# Altium PCB AIR_MOUNT23.PcbDoc (part 3 of 4) (continued)
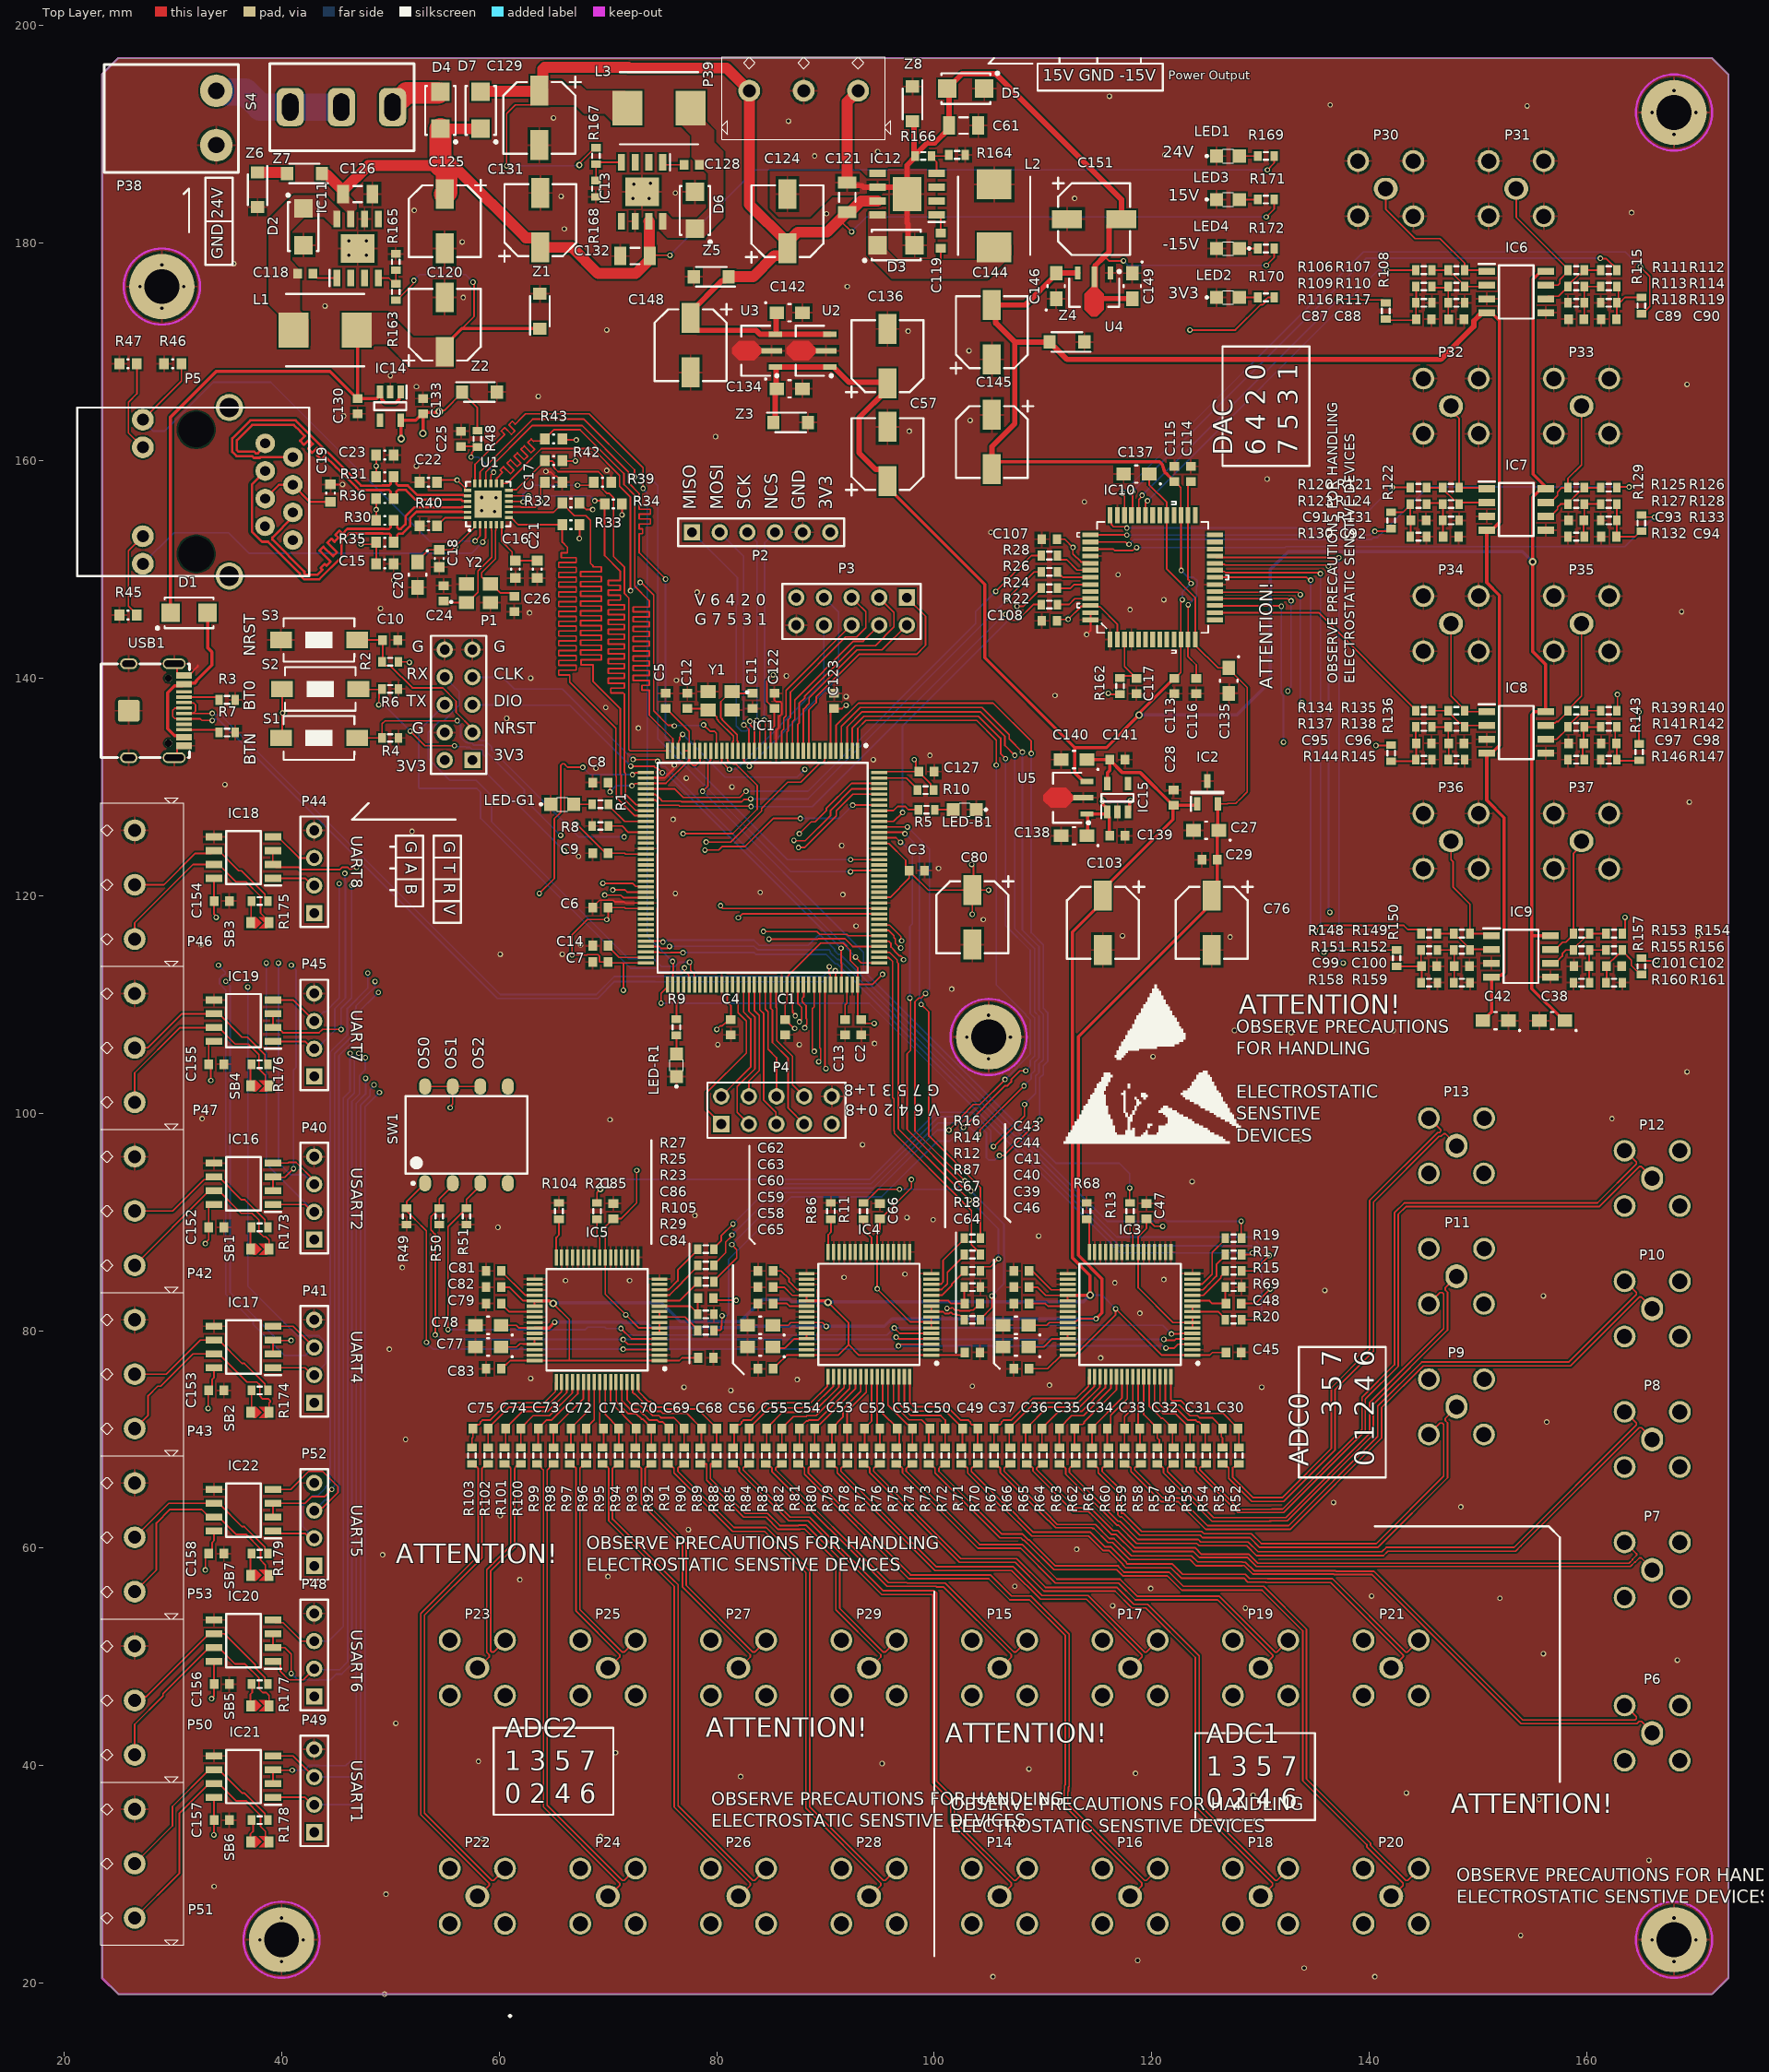
[diagram p0: Top Layer view]
## Nets (pads, with @x,y where several pads share a name; then routed paths per layer and width w, separated by ;. In a path a pad name is that pad's centre, name@x,y a point inside that pad or via, vN(x,y) a via of type N, cw(c..) or ccw(c..) an arc to the next point about the centre after c; other vN are vias at no path point) (continued)
  other v1: 47.7,105.1
PC11_2: IC1.112 IC17.1 P41.2 | length 105.3
  Top Layer w0.15: IC17.1@39.212,76.595 42.155,76.595 42.83,75.92 P41.2@43,75.92 ; v1(84.805,116) 89.302,116 89.341,116.039 91.791,116.039 92.511,115.319 IC1.112@94.953,115.319
  Layer 2 w0.15: v1(36.9,111.6) 42.08,111.6 42.555,112.075 43.445,112.075 43.72,111.8 45.9,111.8 50.1,116 65.89,116 66.19,116.3 79.179,116.3 79.681,115.798 84.509,115.798 84.711,116 v1(84.805,116)
  Bottom Layer w0.15: v1(36.9,111.6) 36.9,84.07 41.435,79.535 43.445,79.535 44.075,78.905 44.075,76.995 43.441,76.361 43.439,76.361 43.4,76.4 43,76 P41.2@43,75.92
PC12_2: IC1.113 IC22.4 P52.3 | length 114
  Top Layer w0.15: IC22.4@39.212,65.405 40.837,65.405 42.507,67.075 43.763,67.075 45.2,65.638 45.2,65.162 43.757,63.718 43.258,63.718 P52.3@43,63.46 ; IC1.113@94.953,115.819 94.978,115.794 95.825,115.794 96.015,115.604 96.015,115.279 96.347,114.947 96.347,114.903 96.771,114.48 96.9,114.48 97.169,114.21 v1(97.169,114.112)
  Layer 2 w0.15: v1(48.9,111.1) 49.563,111.763 49.629,111.763 50.252,112.386 81.256,112.386 82.67,113.8 89.052,113.8 89.292,114.04 92.244,114.04 92.516,113.769 94.629,113.769 94.972,114.112 v1(97.169,114.112)
  Bottom Layer w0.15: P52.3@43,63.46 43.98,64.44 44.478,64.44 45.275,65.237 45.275,105.288 46.85,106.863 46.85,109.05 v1(48.9,111.1)
PD0_2: IC1.114 IC17.2 IC17.3 | length 101.7
  Top Layer w0.15: IC17.2@39.212,77.865 39.212,79.1 IC17.3@39.23,79.118 ; IC17.3@39.212,79.135 IC17.3@39.23,79.118 ; v1(40.877,79.1) 39.247,79.1 IC17.3@39.23,79.118 ; v1(84.3,116.7) 89.224,116.7 89.349,116.575 89.485,116.439 91.956,116.439 92.077,116.319 IC1.114@94.953,116.319
  Layer 2 w0.15: v1(34.869,112.118) 36.177,112.118 36.258,112.199 42.113,112.199 42.389,112.475 43.611,112.475 43.886,112.2 43.9,112.2 46.3,114.6 46.463,114.6 47.513,115.65 49.05,115.65 49.8,116.4 54.9,116.4 55.2,116.7 79.345,116.7 79.604,116.441 81.775,116.441 82.034,116.7 v1(84.3,116.7)
  Bottom Layer w0.15: v1(34.869,112.118) 35.277,111.71 35.277,83.523 39.7,79.1 v1(40.877,79.1)
PD1_2: IC1.115 IC22.2 IC22.3 | length 108.3
  Top Layer w0.15: IC22.2@39.212,62.865 IC22.3@39.212,64.135 42.155,64.135 42.754,64.734 43.959,64.734 v1(44.625,65.4) ; IC1.115@94.953,116.819 94.978,116.794 95.825,116.794 96.294,116.325 96.294,116.137 96.415,116.016 96.415,115.616 96.841,115.19 v1(96.917,115.19)
  Layer 2 w0.15: v1@48.575,112.151 48.587,112.163 49.463,112.163 50.215,112.915 50.381,112.915 50.51,112.786 81.091,112.786 82.505,114.2 86.8,114.2 87.04,114.44 91.627,114.44 92.377,115.19 v1(96.917,115.19)
  Bottom Layer w0.15: v1(44.625,65.4) 44.625,65.495 44.875,65.745 44.875,105.454 46.45,107.029 46.45,109.216 46.85,109.616 46.85,109.863 48.575,111.588 v1@48.575,112.151
  other v1: 48.6,112.1
PD2_2: IC1.116 IC22.1 P52.2 | length 112.9
  Top Layer w0.15: IC22.1@39.212,61.595 39.212,61.612 39.3,61.7 39.655,61.345 42.21,61.345 42.635,60.92 P52.2@43,60.92 ; IC1.116@94.953,117.319 94.978,117.294 95.891,117.294 96.933,116.252 96.935,116.249 96.935,115.909 v1(97.002,115.842)
  Layer 2 w0.15: v1(47.926,112.878) 48.849,113.8 53.5,113.8 53.925,113.375 76.188,113.375 76.749,113.936 76.892,113.936 77.856,114.9 87.1,114.9 88.042,115.842 v1(97.002,115.842)
  Bottom Layer w0.15: P52.2@43,60.92 43,61 42.7,61.3 42.62,61.3 41.925,61.995 41.925,63.905 42.862,64.843 43.363,64.843 44.05,65.53 44.05,65.638 44.475,66.063 44.475,105.62 46.05,107.195 46.05,109.629 47.926,111.505 v1(47.926,112.878)
PD4_2: IC1.118 IC16.2 IC16.3 | length 79.4
  Top Layer w0.15: IC16.2@39.212,92.865 IC16.3@39.212,94.135 39.247,94.1 40.3,94.1 v1(41.1,94.9) ; v1(81.989,117.963) 82.345,118.319 IC1.118@94.953,118.319
  Layer 2 w0.15: v1(40.9,113.6) 40.9,114.4 41.9,115.4 46.131,115.4 49.231,118.5 81.453,118.5 v1(81.989,117.963)
  Bottom Layer w0.15: v1(40.9,113.6) 41.333,113.167 41.333,104.197 41.1,103.965 v1(41.1,94.9)
PD5_2: IC1.119 IC16.4 P40.3 | length 84.9
  Top Layer w0.15: IC16.4@39.212,95.405 40.584,95.405 40.654,95.475 41.338,95.475 43,93.813 P40.3@43,93.46 ; v1(80.36,119.075) 80.36,119.015 80.556,118.819 IC1.119@94.953,118.819
  Layer 2 w0.15: v1(39.721,113.794) 41.727,115.8 45.966,115.8 49.066,118.9 62.966,118.9 63.141,119.075 v1(80.36,119.075)
  Bottom Layer w0.15: v1(39.721,113.794) 39.721,95.466 40.862,94.325 42.135,94.325 P40.3@43,93.46
PD8_2: IC1.77 P1.6 | length 43.3
  Top Layer w0.15: v1(77.034,113.361) 77.034,113.06 77.2,112.893 77.25,112.893 77.44,112.703 77.44,111.856 IC1.77@77.465,111.831
  Bottom Layer w0.15: P1.6@55,137.54 52.6,135.14 52.6,129.938 52.688,129.85 57.95,129.85 58.3,129.5 58.3,127.1 72.075,113.325 74.509,113.325 74.834,113 76.673,113 v1(77.034,113.361)
PD9_2: IC1.78 P1.8 | length 45.2
  Top Layer w0.15: v1(77.511,113.876) 77.609,113.779 77.609,113.123 77.94,112.792 77.94,111.856 IC1.78@77.965,111.831
  Bottom Layer w0.15: P1.8@55,140.08 56.325,138.755 56.325,137.486 54.907,136.068 54.543,136.068 53.475,135 53.475,132.606 55.481,130.6 57.9,130.6 59.3,129.2 59.3,126.8 71.9,114.2 74.2,114.2 74.925,113.475 76.147,113.475 76.548,113.876 v1(77.511,113.876)
PE0_2: IC1.141 IC18.1 P44.2 | length 61.1
  Top Layer w0.15: IC18.1@39.212,121.595 42.155,121.595 42.83,120.92 P44.2@43,120.92 ; v1(87.1,125.075) 87.132,125.043 88.131,125.043 90.474,127.385 90.474,127.839 92.453,129.819 94.881,129.819 94.9,129.8 94.919,129.819 IC1.141@94.953,129.819
  Layer 2 w0.15: P44.2@43,120.92 44.101,120.92 45.252,122.07 45.252,122.281 45.589,122.617 45.799,122.617 46.981,123.8 47.834,123.8 48.034,123.6 61.2,123.6 62.1,122.7 83.753,122.7 86.153,125.1 87.075,125.1 v1(87.1,125.075)
PE1_2: IC1.142 IC18.4 P44.3 | length 60.4
  Top Layer w0.15: IC18.4@39.212,125.405 39.649,125.405 41.595,123.46 P44.3@43,123.46 ; v1(87.6,125.7) 88.683,126.783 89.058,126.783 90.074,127.798 90.074,128.005 92.388,130.319 IC1.142@94.953,130.319
  Layer 2 w0.15: P44.3@43,123.46 45.313,123.46 46.053,124.2 48,124.2 48.2,124 61.5,124 62.4,123.1 82.8,123.1 85.4,125.7 v1(87.6,125.7)
PE7_2: IC1.58 IC19.1 P45.2 | length 50.1
  Top Layer w0.15: IC19.1@39.212,106.595 42.155,106.595 42.83,105.92 P45.2@43,105.92 ; v1(69.542,121.128) 72.272,121.128 72.556,120.844 73.452,120.844 IC1.58@73.477,120.819
  Layer 2 w0.15: v1(45.827,122.042) 46.472,122.042 46.569,121.945 47.644,121.945 48,122.3 56.7,122.3 56.833,122.433 58.467,122.433 59.325,121.575 69.095,121.575 v1(69.542,121.128)
  Bottom Layer w0.15: P45.2@43,105.92 43.22,105.92 44.9,107.6 44.9,109.61 45.875,110.585 45.875,121.338 45.827,121.386 v1(45.827,122.042)
PE8_2: IC1.59 IC19.4 P45.3 | length 47.5
  Top Layer w0.15: IC19.4@39.212,110.405 41.055,110.405 P45.3@43,108.46 ; v1(70.453,120.521) 71.58,120.521 71.782,120.319 IC1.59@73.477,120.319
  Layer 2 w0.15: v1(45.3,121.1) 45.667,121.467 46.154,121.467 46.231,121.545 49.479,121.545 49.834,121.9 57.9,121.9 58.625,121.175 64.104,121.175 64.738,120.541 69.906,120.541 69.926,120.521 v1(70.453,120.521)
  Bottom Layer w0.15: P45.3@43,108.46 43.84,109.3 44.024,109.3 45.3,110.576 v1(45.3,121.1)
PE9_2: IC1.60 IC19.2 IC19.3 | length 49.5
  Top Layer w0.15: IC19.3@39.212,109.135 IC19.2@39.212,107.865 39.649,107.865 40.114,107.4 42.54,107.4 42.555,107.385 43.445,107.385 43.76,107.7 v1(45.475,107.7) ; v1(69.7,120.05) 69.704,120.046 71.177,120.046 71.404,119.819 IC1.60@73.477,119.819
  Layer 2 w0.15: v1(46.45,120.95) 54.75,120.95 55.2,121.4 56.55,121.4 56.65,121.5 57.4,121.5 58.125,120.775 63.938,120.775 64.747,119.966 67.118,119.966 67.202,120.05 v1(69.7,120.05)
  Bottom Layer w0.15: v1(45.475,107.7) 45.475,109.62 46.45,110.595 v1(46.45,120.95)
RD_3_N: P5.6 R30.1 U1.22 | length 32.8
  Top Layer w0.22: P5.6@41.04,155.23 41.04,154.809 39.157,152.926 39.157,152.731 42.1,149.788 42.1,149.638 42.238,149.5 43.3,149.5 43.764,149.964 43.599,150.129 43.966,150.496 44.131,150.331 44.499,150.699 43.48,151.718 43.848,152.086 44.732,151.201 45.1,151.569 44.215,152.453 44.583,152.821 44.865,152.539 45.233,152.907 44.951,153.189 45.319,153.556 45.601,153.274 46.046,153.72 49.462,153.72 49.472,153.71 49.89,153.71 50.028,153.848 50.028,154.228 R30.1@50.3,154.5 50.64,154.16 50.64,153.848 50.778,153.71 50.972,153.71 51.401,154.138 51.401,154.875 52.236,155.71 56.566,155.71 56.576,155.72 57.07,155.72 U1.22@57.1,155.75
RD_3_P: P5.3 R35.1 U1.23 | length 32.8
  Top Layer w0.22: P5.3@38.5,159.04 37.27,157.81 37.27,153.459 38.197,152.531 38.763,152.531 41.68,149.614 41.68,149.464 42.064,149.08 43.474,149.08 45.52,151.126 45.52,152.6 46.22,153.3 49.288,153.3 49.298,153.29 49.89,153.29 50.028,153.152 50.028,152.772 R35.1@50.3,152.5 50.64,152.84 50.64,153.152 50.778,153.29 51.146,153.29 51.821,153.964 51.821,154.701 52.41,155.29 56.566,155.29 56.576,155.28 57.07,155.28 U1.23@57.1,155.25
REF_2V5_4: C27.1 C29.2 C40.1 C59.1 C76.1 C78.1 C135.1 C137.1 IC2.2 IC3.42 IC4.42 IC5.42 IC10.13 IC10.31 | length 157.8
  Top Layer w0.15: C78.1@60.175,80.5 61.575,80.5 61.825,80.25 IC5.42@63.262,80.25 ; C59.1@85.175,80.5 86.562,80.5 86.812,80.75 IC4.42@88.262,80.75 89.725,80.75 v1(90.075,80.4) ; C40.1@108.675,80.5 110.325,80.5 110.575,80.75 IC3.42@112.262,80.75 112.825,80.75 112.9,80.825 112.9,80.85 112.925,80.875 113.093,80.875 113.318,81.1 v1(114.875,81.1) ; C137.1@119.754,158.764 119.754,157.786 121.374,156.166 IC10.31@121.374,154.979 121.374,150.026 123.99,147.41 123.99,143.029 126.08,140.939 C135.1@127.079,140.939 127.079,140.839 128.775,139.143 128.775,129.525 128.05,128.8 128.025,128.8 127.7,128.475 126.972,128.475 126.936,128.439 IC2.2@126.058,128.439
  Top Layer w0.3: IC5.42@63.262,80.25 64.575,80.25 v1(65.1,80.775) ; v1(114.875,81.1) 115.425,81.65 115.425,84.751 113.25,86.926 113.25,107.025 124.825,118.6 124.825,119.325 126,120.5 C29.2@126,123.3 126,125.942 C27.1@126.116,126.058 ; IC2.2@126.058,128.439 126.058,126.117 C27.1@126.116,126.058 ; C27.1@126.175,126 C27.1@126.116,126.058
  Bottom Layer w0.3: v1(65.1,80.775) 65.125,80.8 71.275,80.8 71.325,80.75 73.512,80.75 73.987,80.275 82.39,80.275 82.515,80.4 95.41,80.4 96.11,81.1 v1(114.875,81.1)
RESET_5: C48.2 IC3.11 R69.1 | length 4.7
  Top Layer w0.15: IC3.11@123.738,82.75 125.3,82.75 125.55,82.5 C48.2@126.8,82.5 126.75,82.55 R69.1@126.75,84
RESET_6: C67.2 IC4.11 R87.1 | length 4.7
  Top Layer w0.15: IC4.11@99.738,82.75 101.313,82.75 101.563,82.5 C67.2@102.8,82.5 102.75,82.55 R87.1@102.75,84
RESET_7: C86.2 IC5.11 R105.1 | length 5.3
  Top Layer w0.15: IC5.11@74.738,82.25 77.6,82.25 R105.1@78.25,81.6 ; R105.1@78.25,81.5 R105.1@78.25,81.6 ; C86.2@78.3,83 78.25,82.95 R105.1@78.25,81.6
RMII_CRS_DV_3: IC1.43 R34.2 U1.11 | length 72.2
  Top Layer w0.15: U1.11@60.9,156.75 v1(62.695,156.75) ; v1(68.8,156.3) 69.4,156.3 R34.2@69.7,156 69.7,151.266 71.125,149.841 71.125,148.978 70.034,148.978 70.034,148.528 71.125,148.528 71.125,148.078 70.025,148.078 70.025,147.628 71.148,147.628 71.148,147.178 70.025,147.178 70.025,146.728 71.525,146.728 71.525,146.278 70.025,146.278 70.025,145.828 71.525,145.828 71.525,145.378 70.025,145.378 70.025,144.928 71.525,144.928 71.525,144.478 70.025,144.478 70.025,144.028 71.525,144.028 71.525,143.578 70.025,143.578 70.025,143.128 71.525,143.128 71.525,142.678 70.025,142.678 70.025,142.228 71.525,142.228 71.525,141.778 70.025,141.778 70.025,141.328 71.525,141.328 71.525,140.878 70.025,140.878 70.025,140.428 71.525,140.428 71.525,139.978 70.025,139.978 70.025,139.528 71.525,139.528 71.525,139.078 70.263,139.078 70.263,138.628 71.408,138.628 71.525,138.511 71.525,132.138 71.525,131.316 71.625,131.216 71.625,129.324 72.605,128.344 73.452,128.344 IC1.43@73.477,128.319
  Bottom Layer w0.15: v1(62.695,156.75) 68.35,156.75 v1(68.8,156.3)
RMII_MDC_3: IC1.27 U1.13 | length 46.1
  Top Layer w0.15: U1.13@60.25,157.9 60.715,157.9 62.165,159.35 62.165,159.375 63.89,161.1 68.61,161.1 71.075,158.635 71.075,157.635 72.075,156.635 v1(72.075,148.025) ; v1(72.975,148.8) 73.05,148.8 74.2,147.65 74.2,136.99 75.525,135.665 76.035,135.665 v1(76.1,135.6) ; v1(78.8,135.7) 79.382,135.118 79.782,135.118 79.965,134.935 IC1.27@79.965,133.307
  Bottom Layer w0.15: v1(72.075,148.025) 72.1,148 72.175,148 v1(72.975,148.8) ; v1(76.1,135.6) 76.15,135.65 78.75,135.65 v1(78.8,135.7)
RMII_MDIO_3: IC1.36 R42.1 U1.12 | length 40.5
  Top Layer w0.15: U1.12@60.9,157.25 60.965,157.315 61.565,157.315 61.725,157.475 64.2,159.95 64.908,159.95 65.025,159.833 65.025,159.365 65.415,158.975 69.135,158.975 69.525,158.585 69.525,157.365 69.915,156.975 70.135,156.975 70.525,156.585 70.525,151.175 71.525,150.175 71.525,147.762 71.925,147.362 71.925,133.424 72.042,133.307 IC1.36@75.465,133.307
RMII_REF_CLK_3: IC1.35 R43.2 U1.14 | length 75.7
  Top Layer w0.15: U1.14@59.75,157.9 59.785,157.935 59.785,158.38 60.306,158.9 60.089,159.118 60.407,159.436 61.046,158.797 61.364,159.115 60.725,159.754 61.043,160.072 61.67,159.445 61.988,159.763 61.361,160.39 61.68,160.709 62.306,160.082 62.625,160.4 61.998,161.027 62.316,161.345 62.943,160.718 63.261,161.036 62.634,161.663 62.952,161.981 63.17,161.764 63.205,161.8 64,161.8 R43.2@64.2,162 64.2,162.05 64.575,162.425 64.625,162.425 65.025,162.825 67.45,162.825 71.475,158.8 71.475,157.8 72.475,156.8 72.475,148.438 73.8,147.113 73.8,146.532 72.325,146.532 72.325,146.082 73.8,146.082 73.8,145.632 72.325,145.632 72.325,145.182 73.8,145.182 73.8,144.732 72.325,144.732 72.325,144.282 73.8,144.282 73.8,143.832 72.325,143.832 72.325,143.382 73.8,143.382 73.8,142.932 72.325,142.932 72.325,142.482 73.8,142.482 73.8,142.032 72.325,142.032 72.325,141.582 73.8,141.582 73.8,141.132 72.325,141.132 72.325,140.682 73.8,140.682 73.8,140.232 72.325,140.232 72.325,139.782 73.8,139.782 73.8,139.332 73.136,139.332 73.136,138.882 73.8,138.882 73.8,136.6 75.965,134.435 IC1.35@75.965,133.307
RMII_RXD0_3: IC1.44 R32.2 U1.8 | length 75.7
  Top Layer w0.15: U1.8@60.9,155.25 65,155.25 65.8,156.05 66.925,154.925 67.985,154.925 68.4,154.51 68.4,150.542 68.642,150.3 68.642,150.225 69.388,150.225 69.388,149.775 67.485,149.775 67.485,149.325 69.388,149.325 69.388,148.875 67.485,148.875 67.485,148.425 69.388,148.425 69.388,147.975 67.485,147.975 67.485,147.525 69.388,147.525 69.388,147.075 67.485,147.075 67.485,146.625 69.388,146.625 69.388,146.175 67.485,146.175 67.485,145.725 69.388,145.725 69.388,145.275 67.485,145.275 67.485,144.825 69.388,144.825 69.388,144.375 67.485,144.375 67.485,143.925 69.388,143.925 69.388,143.475 67.485,143.475 67.485,143.025 69.388,143.025 69.388,142.575 67.485,142.575 67.485,142.125 69.388,142.125 69.388,141.675 67.543,141.675 67.543,141.225 68.642,141.225 68.642,139.683 71.125,137.2 71.125,131.15 71.225,131.05 71.225,129.158 72.539,127.844 73.452,127.844 IC1.44@73.477,127.819
RMII_RXD1_3: IC1.45 R33.2 U1.7 | length 75.7
  Top Layer w0.15: U1.7@60.9,154.75 61.105,154.75 61.755,154.1 R33.2@65.8,154.1 65.8,152.5 66.275,152.025 66.275,151.525 65.703,151.525 65.703,151.075 67.085,151.075 67.085,150.625 65.469,150.625 65.469,150.175 67.085,150.175 67.085,149.725 65.469,149.725 65.469,149.275 67.085,149.275 67.085,148.825 65.469,148.825 65.469,148.375 67.085,148.375 67.085,147.925 65.469,147.925 65.469,147.475 67.085,147.475 67.085,147.025 65.469,147.025 65.469,146.575 67.085,146.575 67.085,146.125 65.469,146.125 65.469,145.675 67.085,145.675 67.085,145.225 65.469,145.225 65.469,144.775 67.085,144.775 67.085,144.325 65.469,144.325 65.469,143.875 67.085,143.875 67.085,143.425 65.469,143.425 65.469,142.975 67.085,142.975 67.085,142.525 65.469,142.525 65.469,142.075 67.085,142.075 67.085,141.625 65.469,141.625 65.469,141.175 67.085,141.175 67.085,140.725 65.469,140.725 65.469,140.275 66.5,140.275 66.5,139.625 70.725,135.4 70.725,130.985 70.775,130.935 70.775,129.042 72.473,127.344 73.452,127.344 IC1.45@73.477,127.319
RMII_TX_EN_3: IC1.128 U1.16 | length 72.7
  Top Layer w0.15: U1.16@58.75,157.9 58.785,157.935 58.785,158.935 63.075,163.225 67.616,163.225 71.875,158.966 71.875,157.966 72.875,156.966 72.875,155.525 73.918,155.525 73.918,155.075 72.875,155.075 72.875,154.625 73.918,154.625 73.918,154.175 72.875,154.175 72.875,153.725 73.194,153.725 73.194,153.275 72.875,153.275 72.875,151.525 v1(75.3,149.1) ; v1(92.309,123.309) 94.943,123.309 IC1.128@94.953,123.319
  Bottom Layer w0.15: v1(75.3,149.1) 75.3,134.5 86.5,123.3 92.3,123.3 v1(92.309,123.309)
RMII_TXD0_3: IC1.126 U1.17 | length 71.1
  Top Layer w0.15: U1.17@58.25,157.9 58.25,158.966 63.084,163.8 67.8,163.8 72.45,159.15 v1(72.45,158.51) ; v1(92.3,122.2) 92.395,122.2 92.514,122.319 IC1.126@94.953,122.319
  Bottom Layer w0.15: v1(72.45,158.51) 72.472,158.488 73.812,158.488 74.6,157.7 74.6,134.4 78.825,130.175 78.938,130.175 79.275,129.838 79.275,129.725 86.8,122.2 v1(92.3,122.2)
RMII_TXD1_3: IC1.74 U1.18 | length 72.3
  Top Layer w0.15: U1.18@57.75,157.9 57.785,157.935 57.785,159.652 60.47,162.337 60.523,162.39 60.199,162.714 60.517,163.032 61.134,162.415 61.452,162.733 60.896,163.29 61.214,163.608 61.477,163.344 62.091,163.958 62.433,164.3 68.261,164.3 73.235,159.326 v1(73.235,157.445) ; v1(75.95,113.95) 76,113.9 76,113.121 75.965,113.086 IC1.74@75.965,111.831
  Bottom Layer w0.15: v1(73.235,157.445) 73.235,157.412 73.625,157.022 73.625,116.275 v1(75.95,113.95)
SPI1_MISO_2: IC1.42 R22.1 | length 45
  Top Layer w0.15: IC1.42@73.477,128.819 74.139,128.819 74.139,128.794 74.349,128.794 74.539,128.604 74.539,128.3 76.517,128.3 76.592,128.225 83.115,128.225 v1(83.154,128.186) ; v1(106.543,145.857) 107.067,145.333 107.675,145.333 109.106,146.764 R22.1@109.829,146.764
  Bottom Layer w0.15: v1(83.154,128.186) 88.786,128.186 105.9,145.3 106.181,145.3 106.298,145.417 106.298,145.516 106.543,145.762 v1(106.543,145.857)
SPI1_MOSI_2: IC1.135 R24.1 | length 28.8
  Top Layer w0.15: IC1.135@94.953,126.819 96.267,126.819 v1(97.084,127.635) ; v1(107.6,146.6) 108.2,146.6 109.489,147.889 109.554,147.889 109.7,148.036 109.7,148.1 109.829,148.229 R24.1@109.829,148.264
  Bottom Layer w0.15: v1(97.084,127.635) 97.084,135.584 107.6,146.1 v1(107.6,146.6)
SPI1_NCS_2: IC1.40 R28.1 | length 46.6
  Top Layer w0.15: IC1.40@73.477,129.819 76.129,129.819 76.923,129.025 82.125,129.025 v1(82.7,129.6) ; v1(105.65,147.973) 108.942,151.264 R28.1@109.829,151.264
  Bottom Layer w0.15: v1(82.7,129.6) 88.4,129.6 103.8,145 103.8,146.123 v1(105.65,147.973)
SPI1_SCK_2: IC1.41 R26.1 | length 45.5
  Top Layer w0.15: IC1.41@73.477,129.319 73.502,129.294 74.349,129.294 74.449,129.194 74.515,129.194 74.939,128.769 74.939,128.7 76.683,128.7 76.758,128.625 82.291,128.625 82.496,128.83 83.068,128.83 v1(83.121,128.883) ; v1(106.705,147.283) 109.186,149.764 R26.1@109.829,149.764
  Bottom Layer w0.15: v1(83.121,128.883) 88.383,128.883 106.1,146.6 106.705,147.205 v1(106.705,147.283)
SPI2_MISO_2: IC1.28 R13.1 | length 61.6
  Top Layer w0.15: v1(78.7,129.6) 79.2,130.1 79.2,132.244 79.25,132.244 79.44,132.435 79.44,133.282 IC1.28@79.465,133.307 ; v1(117.962,93.115) 117.962,91.788 R13.1@118,91.75
  Bottom Layer w0.15: v1(78.7,129.6) 93.5,114.8 93.5,113.091 111.191,95.4 117,95.4 117.962,94.438 v1(117.962,93.115)
SPI2_NCS_2: IC1.73 R17.1 | length 67
  Top Layer w0.15: v1(74.889,110.104) 74.889,110.999 75.49,111.6 75.465,111.625 IC1.73@75.465,111.831 ; R17.1@128.25,87 129.189,87 129.255,87.066 v1(129.255,87.145)
  Bottom Layer w0.15: v1(74.889,110.104) 94.027,110.104 108.531,95.6 108.657,95.6 117.112,87.145 v1(129.255,87.145)
SPI2_SCK_2: IC1.69 R15.1 | length 72.5
  Top Layer w0.15: IC1.69@73.477,115.319 74.741,115.319 74.91,115.15 75.482,115.15 v1(75.663,115.332) ; R15.1@128.25,85.5 129.4,85.5 v1(130.8,86.9)
  Bottom Layer w0.15: v1(75.663,115.332) 83.433,115.332 83.74,115.025 90.314,115.025 90.453,114.886 90.453,114.76 91.081,114.132 91.247,114.132 96.4,108.979 96.4,108.9 107.388,97.912 107.476,97.912 116.788,88.6 129.179,88.6 130.23,87.549 130.23,87.47 v1(130.8,86.9)
SPI3_MISO_2: IC1.134 R11.1 | length 48.7
  Top Layer w0.15: R11.1@93.5,91.75 93.6,91.75 94.85,93 v1(96.8,93) ; IC1.134@94.953,126.319 94.961,126.311 97.534,126.311 v1(97.541,126.304) ; v1(99.2,111) 98.786,110.586 98.572,110.586 98.225,110.238 98.225,98.362 v1(102.808,93.778)
  Bottom Layer w0.15: v1(96.8,93) 102.03,93 v1(102.808,93.778) ; v1(97.541,126.304) 99.562,124.283 99.562,111.451 99.2,111.089 v1(99.2,111)
SPI3_NCS_2: IC1.110 R14.1 | length 32
  Top Layer w0.15: IC1.110@94.953,114.319 94.978,114.294 95.825,114.294 96.163,113.956 96.163,101.438 96.3,101.3 96.3,98.378 96.331,98.347 96.331,98.144 102.656,91.819 102.656,91.775 102.993,91.438 103.037,91.438 103.425,91.05 103.425,87.925 104.15,87.2 104.4,87.2 104.25,87.05 R14.1@104.25,87
SPI3_SCK_2: IC1.111 R12.1 | length 35.5
  Top Layer w0.15: IC1.111@94.953,114.819 94.978,114.794 95.891,114.794 96.594,114.09 96.594,113.874 96.7,113.768 96.7,98.544 101.833,93.411 101.833,93.375 102.405,92.803 102.441,92.803 v1(103.231,92.013) ; R12.1@104.25,85.5 104.25,85.6 104.525,85.875 105.175,85.875 v1(105.9,86.6)
  Bottom Layer w0.15: v1(103.231,92.013) 105.9,89.344 v1(105.9,86.6)
SPI4_MISO_2: IC1.4 R21.1 | length 103.1
  Top Layer w0.15: R21.1@69,91.75 69,92.705 v3(69.3,93.005) ; IC1.4@91.465,133.307 91.465,135.562 93.203,137.3 104.397,137.3 106.9,134.797 106.9,134.4 v1(108.1,133.2) ; v1(105.439,96.935) 105.439,96.881 108.3,99.742 v1(108.3,100.8)
  Bottom Layer w0.15: v3(69.3,93.005) 69.3,93.1 70.1,93.9 94.034,93.9 100.203,100.068 103.497,100.068 105.2,98.366 105.2,97.173 v1(105.439,96.935) ; v1(108.1,133.2) 108.1,116.831 109.625,115.306 109.625,109.481 110.025,109.081 110.025,104.919 109.625,104.519 109.625,103.734 109.3,103.409 109.3,101.8 v1(108.3,100.8)
SPI4_NCS_2: IC1.3 R25.1 | length 89.6
  Top Layer w0.15: R25.1@79.75,86 79.75,86.1 80.815,87.165 80.815,88.141 81.4,88.726 v1(81.4,88.8) ; IC1.3@91.965,133.307 91.99,133.332 91.99,135.521 93.369,136.9 104.231,136.9 106.5,134.631 106.5,133.8 v1(107.4,132.9) ; v1(104.068,98.024) 104.162,98.024 104.2,98.062 104.2,98.45 v1(108.25,102.5)
  Bottom Layer w0.15: v1(81.4,88.8) 85.7,93.1 94.366,93.1 100.366,99.1 102.276,99.1 102.445,99.269 102.921,99.269 103.258,98.932 103.258,98.7 103.6,98.358 103.734,98.358 v1(104.068,98.024) ; v1(107.4,132.9) 107.4,116.965 109.225,115.14 109.225,109.316 109.625,108.916 109.625,105.084 109.225,104.684 109.225,103.9 108.9,103.575 108.9,103.15 v1(108.25,102.5)
SPI4_SCK_2: IC1.1 R23.1 | length 85.2
  Top Layer w0.15: R23.1@79.75,84.5 79.75,84.6 81.843,86.693 81.843,87.457 v1(81.393,87.907) ; IC1.1@92.965,133.307 92.965,135.365 93.7,136.1 103.9,136.1 105.7,134.3 v1(105.7,132) ; v1(101.357,98.443) 102.512,99.599 102.512,99.712 103.6,100.8 104.2,100.8 v1(106.5,103.1)
  Bottom Layer w0.15: v1(81.393,87.907) 86.187,92.7 94.531,92.7 100.275,98.443 v1(101.357,98.443) ; v1(105.7,132) 105.7,111.8 108.425,109.075 108.425,108.984 108.825,108.584 108.825,105.416 106.509,103.1 v1(106.5,103.1)
SPI5_MISO_2: IC1.20 P2.1 | length 24.7
  Top Layer w0.15: v1(83.053,136.039) 83.12,135.972 83.12,135.694 83.465,135.349 IC1.20@83.465,133.307
  Bottom Layer w0.15: P2.1@77.74,153.4 81.9,149.24 81.9,146.8 81.8,146.7 81.8,135.586 82.259,135.127 82.735,135.127 83.072,135.463 83.072,136.019 v1(83.053,136.039)
SPI5_MOSI_2: IC1.21 P2.2 | length 21.2
  Top Layer w0.15: v1(82.497,135.702) 82.547,135.702 82.965,135.284 IC1.21@82.965,133.307
  Bottom Layer w0.15: P2.2@80.28,153.4 82.478,151.202 82.478,135.721 v1(82.497,135.702)
SPI5_NCS_2: IC1.18 P2.4 | length 20.7
  Top Layer w0.15: v1(84.367,136.151) 84.367,136.056 84.465,135.959 IC1.18@84.465,133.307 IC1.18@84.465,133.235 ; IC1.18@84.465,133.235 84.465,133.225 84.49,133.2 84.49,133.21 IC1.18@84.465,133.235
  Bottom Layer w0.15: v1(84.367,136.151) 84.367,136.967 84.4,137 84.4,152.44 P2.4@85.36,153.4
SPI5_SCK_2: IC1.19 P2.3 | length 20.8
  Top Layer w0.15: v1(83.7,136.1) 83.7,136.005 83.965,135.74 IC1.19@83.965,133.307
  Bottom Layer w0.15: P2.3@82.82,153.4 82.82,153.08 82.9,153 83.22,153 83.7,152.52 v1(83.7,136.1)
SPI_CS_5: IC3.13 R17.2 | length 5.1
  Top Layer w0.15: IC3.13@123.738,83.75 124.683,83.75 125.313,84.38 125.313,84.388 125.943,85.018 125.943,86.093 126.75,86.9 R17.2@126.75,87
SPI_CS_6: IC4.13 R14.2 | length 5
  Top Layer w0.15: IC4.13@99.738,83.75 99.763,83.775 100.676,83.775 101.208,84.307 101.208,85.358 102.75,86.9 R14.2@102.75,87
SPI_CS_7: IC5.13 R25.2 | length 4.7
  Top Layer w0.15: IC5.13@74.738,83.25 74.763,83.275 75.676,83.275 76.825,84.425 76.825,84.475 78.25,85.9 R25.2@78.25,86
SPI_MISO_5: IC3.24 R13.2 | length 3.1
  Top Layer w0.15: R13.2@118,90.25 118,89.063 118.25,88.813 IC3.24@118.25,87.238
SPI_MISO_6: IC4.24 R11.2 | length 3.3
  Top Layer w0.15: R11.2@93.5,90.25 93.5,89.3 94.25,88.55 IC4.24@94.25,87.238
SPI_MISO_7: IC5.24 R21.2 | length 3.6
  Top Layer w0.15: R21.2@69,90.25 69,88.8 69.25,88.55 IC5.24@69.25,86.738
SPI_MISO_8: IC10.49 R22.2 | length 3.3
  Top Layer w0.15: R22.2@111.329,146.764 112.381,146.764 112.925,147.309 IC10.49@114.364,147.309
SPI_MOSI_8: IC10.47 R24.2 | length 3.2
  Top Layer w0.15: R24.2@111.329,148.264 112.53,148.264 112.87,148.604 IC10.47@114.364,148.604
SPI_NCS_8: IC10.45 R28.2 | length 3.6
  Top Layer w0.15: R28.2@111.329,151.264 111.329,151.164 111.604,150.889 112.171,150.889 113.135,149.925 IC10.45@114.364,149.925
SPI_SCK_5: IC3.12 R15.2 | length 4.1
  Top Layer w0.15: IC3.12@123.738,83.25 124.749,83.25 125.713,84.214 125.713,84.223 126.343,84.852 126.343,84.993 126.75,85.4 R15.2@126.75,85.5
SPI_SCK_6: IC4.12 R12.2 | length 4.1
  Top Layer w0.15: IC4.12@99.738,83.25 99.763,83.275 100.742,83.275 101.608,84.142 101.608,84.258 102.75,85.4 R12.2@102.75,85.5
SPI_SCK_7: IC5.12 R23.2 | length 4.3
  Top Layer w0.15: IC5.12@74.738,82.75 76.6,82.75 78.25,84.4 R23.2@78.25,84.5
SPI_SCK_8: IC10.46 R26.2 | length 3.3
  Top Layer w0.15: R26.2@111.329,149.764 111.329,149.664 111.604,149.389 111.704,149.389 111.829,149.264 IC10.46@114.364,149.264
SWCLK_2: IC1.109 P1.7 | length 48.5
  Top Layer w0.15: v1(72.321,132.511) 74.402,132.511 v1(74.561,132.353) ; v1(92.764,114.344) 93.289,113.819 IC1.109@94.953,113.819
  Bottom Layer w0.15: P1.7@57.54,140.08 60.32,140.08 61.4,139 65.832,139 v1(72.321,132.511) ; v1(74.561,132.353) 74.605,132.309 74.605,132.296 75.028,131.872 75.286,131.872 91.419,115.739 91.666,115.739 92.003,115.402 92.003,115.105 v1(92.764,114.344)
SWDIO_2: IC1.105 P1.5 | length 46.5
  Top Layer w0.15: v1(72.1,131.9) 74.243,131.9 74.349,131.794 74.409,131.734 74.561,131.734 v1(74.997,131.297) ; v1(91.428,115.164) 91.44,115.152 91.44,113.766 91.475,113.73 91.475,111.841 IC1.105@91.465,111.831
  Bottom Layer w0.15: P1.5@57.54,137.54 61.26,137.54 61.3,137.5 66.5,137.5 v1(72.1,131.9) ; v1(74.997,131.297) 75.064,131.23 75.362,131.23 v1(91.428,115.164)